# Altium PCB Mynd_Baffle.PcbDoc
Units mm, origin at the board's own origin, x right, y up, seen from the top; angles counter-clockwise.
Board outline 45 x 30 mm, 2 copper layers (Component Side, Solder Side), stack 1.58 mm thick; 18 components, 8 nets, 82 pads, 12 vias.
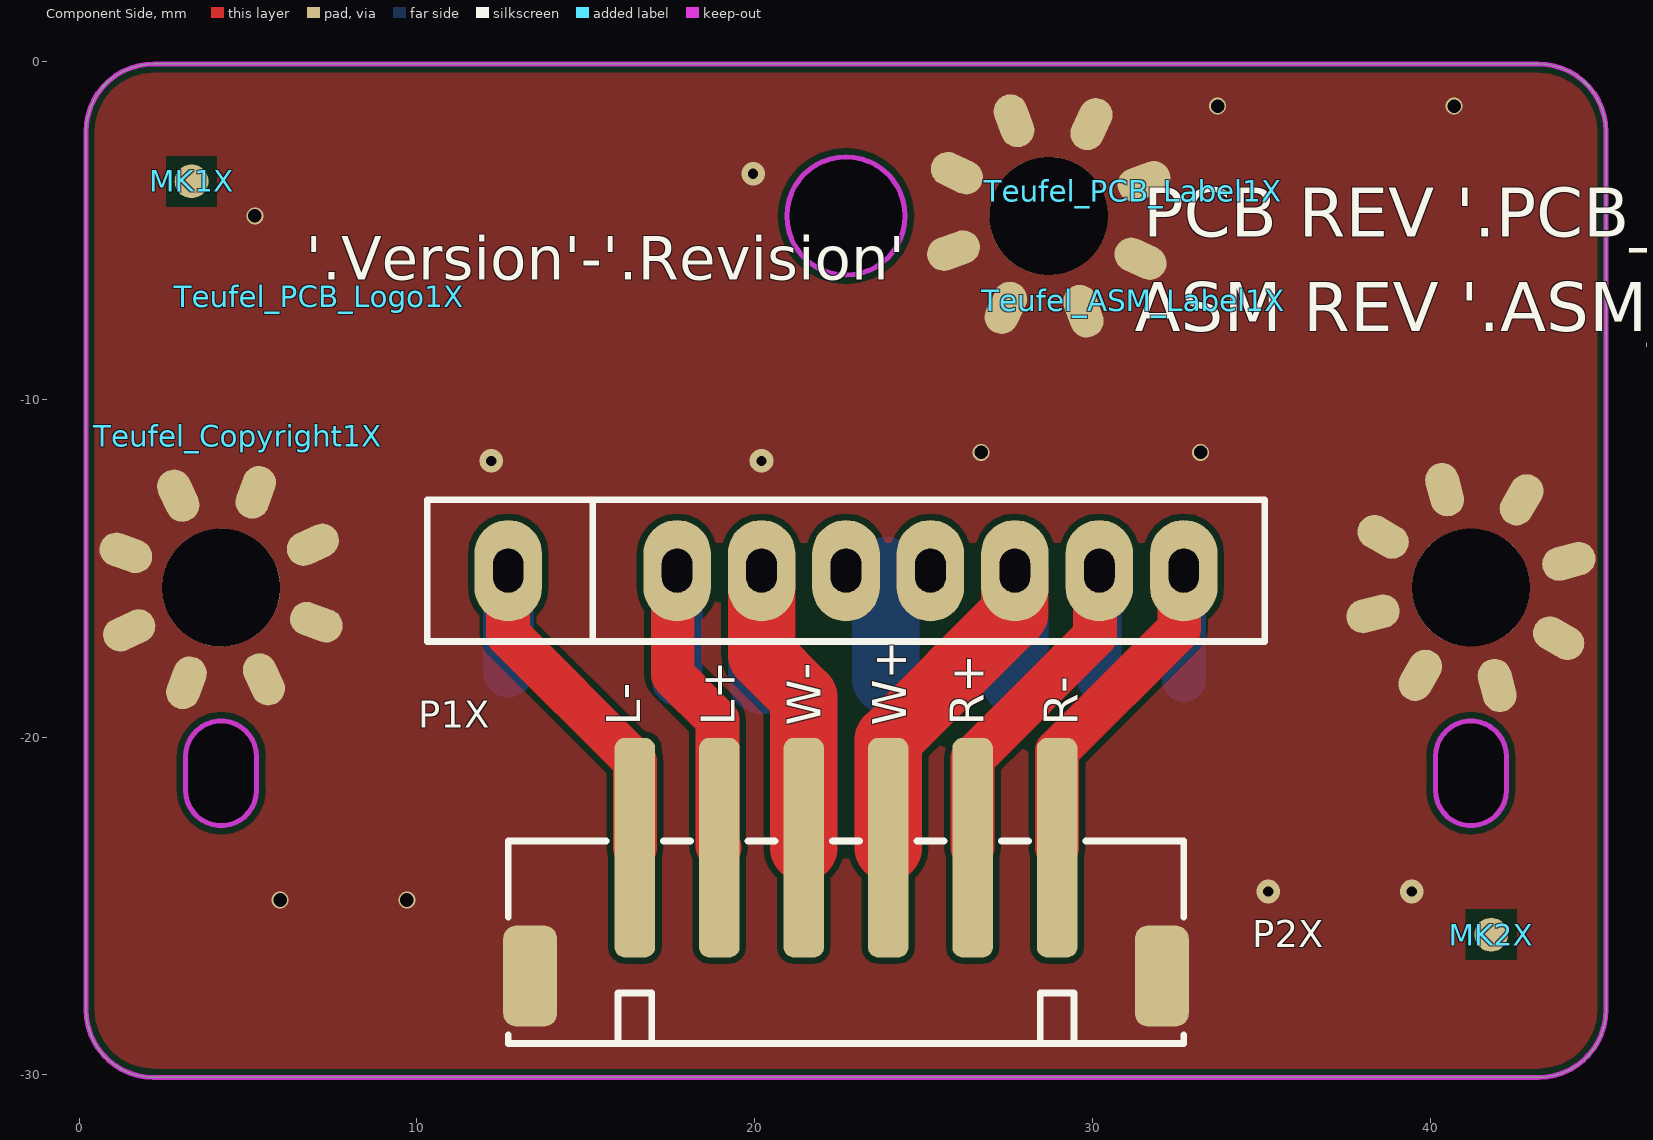
[diagram p0: Component Side view]
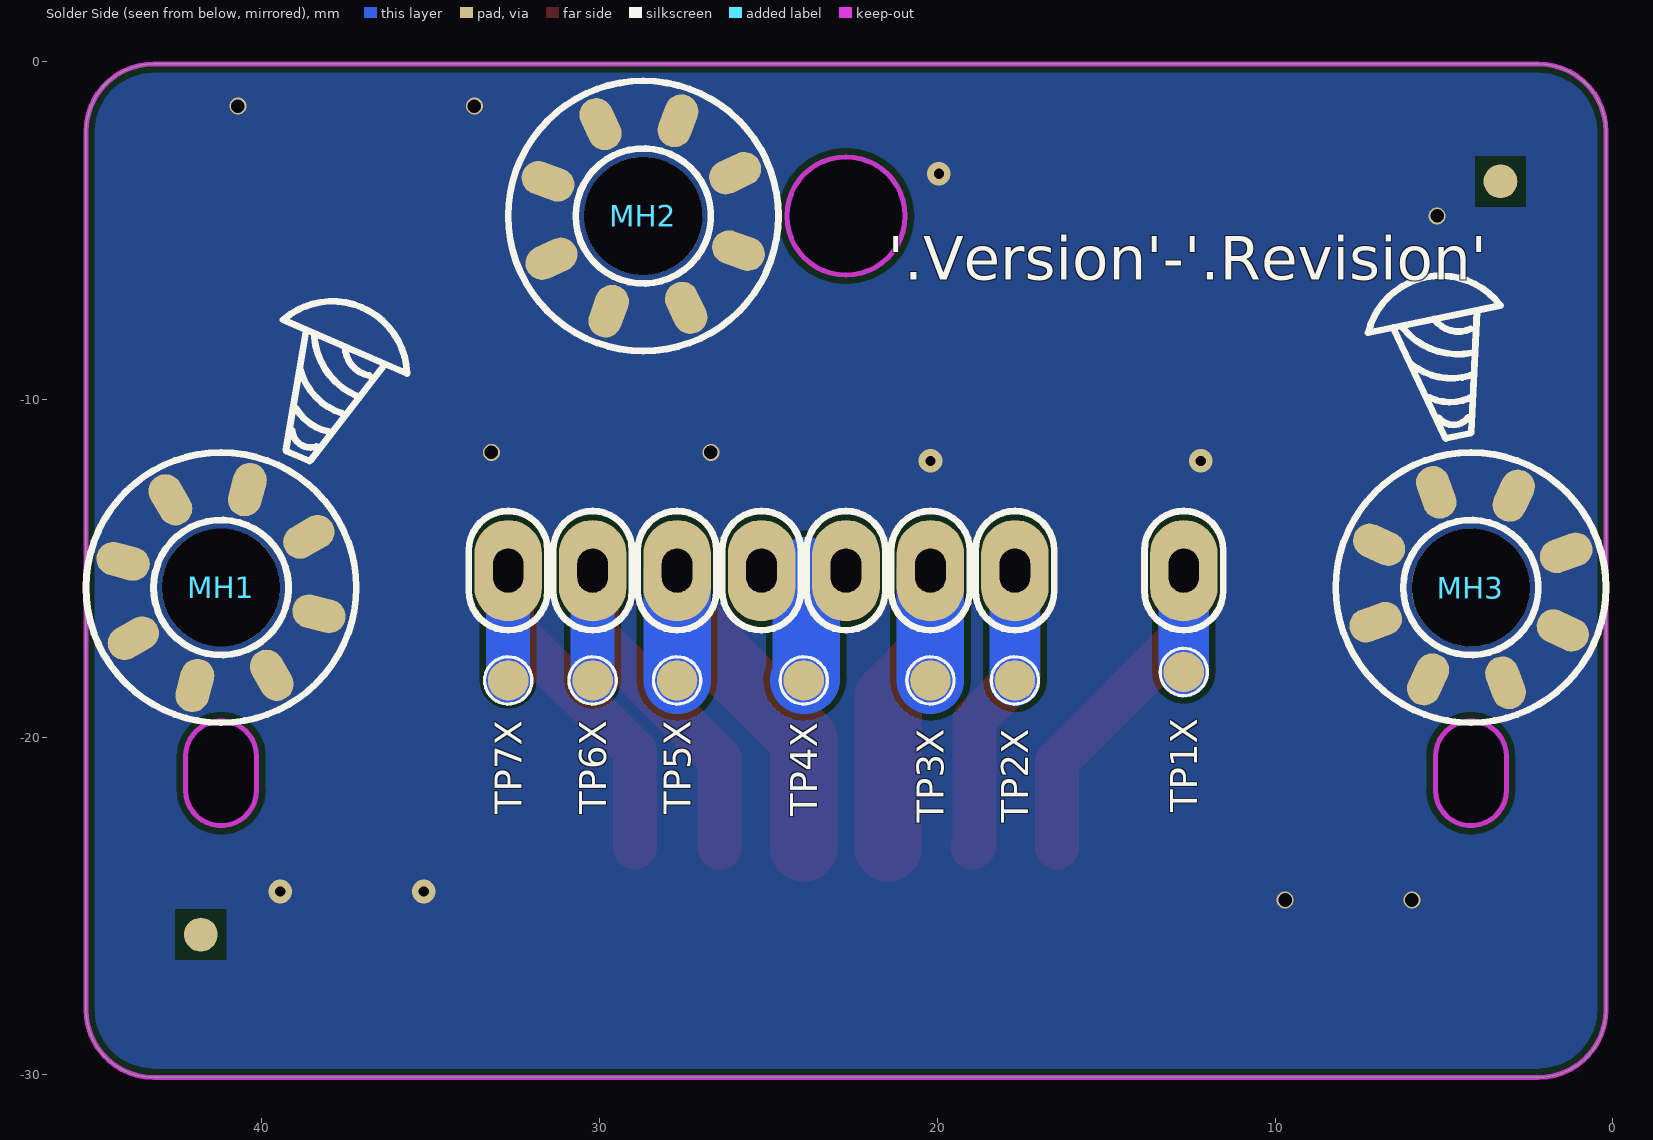
[diagram p1: Solder Side view, seen from below]

## Layer stack, top to bottom
Top Solder: solder mask 0.0102, Solder Resist, Dk 3.5
Component Side: signal copper 0.035
Dielectric1: core 1.5097, FR-4, Dk 4.2
Solder Side: signal copper 0.035
Bottom Solder: solder mask 0.0102, Solder Resist, Dk 3.5

## Board outline
0.202,-28.072 0.202,-2.072 cw(c2.202,-2.072) 2.202,-0.072 43.202,-0.072 cw(c43.202,-2.072) 45.202,-2.072 45.202,-28.072 cw(c43.202,-28.072) 43.202,-30.072 2.202,-30.072 cw(c2.202,-28.072)
cut-out: 22.702,-6.322 cw(c22.702,-4.572) 20.952,-4.572 cw(c22.702,-4.572) 22.702,-2.822 cw(c22.702,-4.572) 24.452,-4.572 cw(c22.702,-4.572)
cut-out: 3.152,-21.572 ccw(c4.202,-21.572) 5.252,-21.572 5.252,-20.572 ccw(c4.202,-20.572) 3.152,-20.572
cut-out: 40.152,-21.572 ccw(c41.202,-21.572) 42.252,-21.572 42.252,-20.572 ccw(c41.202,-20.572) 40.152,-20.572

## Design rules (kind name [scope] priority, off if disabled: settings)
AssemblyTestPointUsage [HasFootprint('PAD-NDK-06')] p1:
AssemblyTestpoint [HasFootprint('PAD-NDK-06')] p1: testpointundercomponent=TRUE minsize=1.016 maxsize=2.54 preferedsize=1.524 minholesize=0 maxholesize=1.016 preferedholesize=0.813 testpointgrid=0.025 usegrid=TRUE gridtolerance=0 allowsidetop=TRUE allowsidebottom=TRUE
Clearance [All] p1: gap=0.18 ignorepadtopadclearanceinfootprint=FALSE
Clearance Clearance_Poly [All] p2 off: gap=0.25 ignorepadtopadclearanceinfootprint=FALSE // Protel DXP Scope 1 Expression Was: InPoly
ComponentClearance ComponentClearance_Termofühler [HasFootprint('SOP65P1420X360_HS-44N') vs HasFootprint('TO-92_MCP9700')] p1: gap=0 collisioncheckmode=3 verticalgap=0.254 showdistances=FALSE
ComponentClearance ComponentClearance_Testpoint [InComponent('TP*')] p2: gap=0 collisioncheckmode=3 verticalgap=0.254 showdistances=FALSE
ComponentClearance ComponentClearance_MC16 [OnLayer('Component Side')] p3: gap=0 collisioncheckmode=3 verticalgap=0.254 showdistances=FALSE
ComponentClearance ComponentClearance_1 [All] p4: gap=0.2 collisioncheckmode=3 verticalgap=0.254 showdistances=FALSE
ComponentClearance ComponentClearance_Stiftleiste [HasFootprint('1X04RM254') vs HasFootprint('1X02RM254')] p5: gap=0 collisioncheckmode=3 verticalgap=0.254 showdistances=FALSE
FabricationTestpoint [All] p1: side=3 testpointundercomponent=TRUE minsize=0.5 maxsize=2.54 preferedsize=1.524 minholesize=0 maxholesize=1.016 preferedholesize=0.813 testpointgrid=0.025 allowsidetop=TRUE allowsidebottom=TRUE usegrid=TRUE gridtolerance=0
FanoutControl Fanout_LCC [All] p1 off: bgadir=Out bgaviamode=Centered fanoutstyle=Auto fanoutdirection=Alternating viagrid=0.025 // Protel DXP Scope 1 Expression Was: IsLCC   Fanout_LCC (Default Rule)
FanoutControl Fanout_BGA [All] p2 off: bgadir=Out bgaviamode=Centered fanoutstyle=Auto fanoutdirection=Alternating viagrid=0.025 // Protel DXP Scope 1 Expression Was: IsBGA   Fanout_BGA (Default Rule)
FanoutControl Fanout_SOIC [All] p3 off: bgadir=Out bgaviamode=Centered fanoutstyle=Auto fanoutdirection=Alternating viagrid=0.025 // Protel DXP Scope 1 Expression Was: IsSOIC   Fanout_SOIC (Default Rule)
FanoutControl Fanout_Default [All] p4: bgadir=Out bgaviamode=Centered fanoutstyle=Auto fanoutdirection=Alternating viagrid=0.025 // Fanout_Default (Default Rule)
FanoutControl Fanout_Small [All] p5 off: bgadir=Out bgaviamode=Centered fanoutstyle=Auto fanoutdirection=Alternating viagrid=0.025 // Protel DXP Scope 1 Expression Was: (CompPinCount < 5)   Fanout_Small (Default Rule)
HoleSize [All] p1: absolutevalues=TRUE maxlimit=8 minlimit=0.25 maxpercent=80.000 minpercent=20.000
NetAntennae [All] p1 off: netantennaetolerance=0
PlaneClearance [All] p1: clearance=0.3
PlaneConnect [All] p1: planeconnectstyle=Relief reliefexpansion=0.508 reliefentries=4 reliefconductorwidth=0.5 reliefairgap=0.254
PolygonConnect [All] p1: connectstyle=Direct reliefconductorwidth=0.5 reliefentries=4 polygonreliefangle="45 Angle" airgapwidth=0.254
PolygonConnect PolygonConnect_direct_stepup [All] p2 off: connectstyle=Direct reliefconductorwidth=0.254 reliefentries=4 polygonreliefangle="90 Angle" airgapwidth=0.254 // Protel DXP Scope 1 Expression Was: (InNet('NETC548_1') AND IsNamedPolygon('BOT_STEPUP_L502OUT')) OR (InNet('NetL502_1') AND IsNamedPolygon('BOT_STEPUP_L502IN')) OR     (InNet('NetC504_2') AND IsNamedPolygon('BOT_STEPUP_IN')) OR   (InNet('24V') AND IsNamedPolygon('BOT_STEPUP_24VOUT')) OR (InNet('GND') AND (IsNamedPolygon('BOT_STEPUP_GND') OR                     IsNamedPolygon('BOT_GLOBAL_GND') OR                                    IsNamedPolygon('TOP_GLOBAL_GND')                   ) )
PolygonConnect PolygonConnect_VIA [All] p3 off: connectstyle=Direct reliefconductorwidth=0.2 reliefentries=4 polygonreliefangle="90 Angle" airgapwidth=0.254 // Protel DXP Scope 1 Expression Was: isVia  or HasFootprint('HOLE_3.2_6.0') or  HasFootprint('CAPPR750W80D1600H2500') or HasFootprint('JST_B6P-VH-FB-B') or HasFootprint('JST_B2P-VH-FB-B') or HasFootprint('TE_1734366-3')
PolygonConnect PolygonConnect_direct [All] p4 off: connectstyle=Direct reliefconductorwidth=0.254 reliefentries=4 polygonreliefangle="90 Angle" airgapwidth=0.254 // Protel DXP Scope 1 Expression Was: InNet('OUT_A') or InNet('OUT_B') or InNet('OUT_C') or InNet('OUT_D') or InNet('SW1_N') or InNet('SW1_P') or InNet('SW2_N') or InNet('SW2_P') or InNet('NetC500_1') or InNet('NetC500_2') or IsNamedPolygon('BOTTOM_-5V_GND') or IsNamedPolygon('BOTTOM_5V_GND') or IsNamedPolygon('BOTTOM_3V3_GND') or IsNamedPolygon('TOP_24V') or IsNamedPolygon('BOT_5VChg_SW_Node') or ((InNet('41V')) and IsSMTPin)
PolygonConnect PolygonConnect_GND_RC_1 [All] p5 off: connectstyle=Relief reliefconductorwidth=0.5 reliefentries=4 polygonreliefangle="90 Angle" airgapwidth=0.254 // Protel DXP Scope 1 Expression Was: IsNamedPolygon('GND_RC_1')
RoutingVias [All] p1: holewidth=0.3 width=0.7 viastyle="Through Hole" minholewidth=0.25 minwidth=0.5 maxholewidth=6 maxwidth=8
ShortCircuit ShortCircuit_C_Open_GND [InNet('C_OPEN')] p2: allowed=TRUE
SilkToSolderMaskClearance [All] p1 off: minsilkscreentomaskgap=0.254 clearancetoexposedcopper=TRUE // Protel DXP Scope 1 Expression Was: IsPad
SolderMaskExpansion [All] p1: expansion=0.102 istentingtop=FALSE
SupplyNets "Schematic Supply Nets" [InNet('GND')] p1: voltage=0.000
Width [All] p1: maxlimit=20 minlimit=1 preferedwidth=1
16 further rules are at their usual default settings.

## Components (designator, comment, footprint, x,y, rotation, side; value= is the part's Value field where it differs from the comment)
MH1 "SCREW_HOLE_D35" SCREW_D35 41.202,-15.572 r150 bottom
MH2 "HOLD_D35" HOLD_D35 28.702,-4.572 r335 bottom
MH3 "SCREW_HOLE_D35" SCREW_D35 4.202,-15.572 r115 bottom
MK1X "MARK" MARK 3.327,-3.547 r90 top
MK2X "MARK" MARK 41.802,-25.847 r90 top
P1X "8P PITCH=2.5mm" TSB1_05282 12.702,-15.072 r0 top locked value="8P PITCH=2.5mm"
P2X "6P PITCH=2.5mm" CON_250_SMD_V_6P 22.702,-26.072 r0 top locked value="6P PITCH=2.5mm"
Teufel_ASM_Label1X "3.1" Teufel_ASM_Rev 31.202,-7.072 r0 top
Teufel_Copyright1X "2023" TEUFEL_COPYRIGHT 4.702,-11.072 r0 top
Teufel_PCB_Label1X "3.1" Teufel_PCB_Rev 31.202,-3.822 r0 top
Teufel_PCB_Logo1X "T.3.0.0040-3.1" Teufel_NoLogo 7.114,-6.944 r0 top
TP1X "TP12" TP120 12.702,-18.072 r90 bottom
TP2X "TP12" TP120 17.702,-18.322 r90 bottom
TP3X "TP12" TP120 20.202,-18.322 r90 bottom
TP4X "TP12" TP120 23.952,-18.322 r90 bottom
TP5X "TP12" TP120 27.702,-18.322 r90 bottom
TP6X "TP12" TP120 30.202,-18.322 r90 bottom
TP7X "TP12" TP120 32.702,-18.322 r90 bottom

## Footprints (in the part's own frame and the unit in brackets; to place one, negate y for a bottom-side part, rotate by r counter-clockwise, add the part's x,y. Pads: shape width x height; smd on the part's side, far side on the other; paste and mask are expansions set on the pad)
CON_250_SMD_V_6P [mm] "2.5mm CONNECTOR SMD TOP ENTRY, 2.5-nPÁ¢Ìù"
  rrect50% 1.6x3 smd: 0(-9.35,-1) 0(9.35,-1)
  rrect50% 1.2x6.5 smd: 1(-6.25,2.8) 2(-3.75,2.8) 3(-1.25,2.8) 4(1.25,2.8) 5(3.75,2.8) 6(6.25,2.8)
  silkscreen extent -10,-3 10,3, body extent -10,-3 10,5.4, height 7.9
HOLD_D35 [mm] "HOLD D=3.5mm"
  oval 1.6x1 smd: 1(-3,0) 1(3,0)
  oval 1.6x1 smd far side: 1(-3,0) 1(3,0)
  oval 1x1.6 smd rot 135: 1(-2.121,-2.121) 1(2.121,2.121)
  oval 1x1.6 smd far side rot 135: 1(-2.121,-2.121) 1(2.121,2.121)
  oval 1x1.6 smd rot 45: 1(-2.121,2.121) 1(2.121,-2.121)
  oval 1x1.6 smd far side rot 45: 1(-2.121,2.121) 1(2.121,-2.121)
  oval 1x1.6 smd: 1(0,-3) 1(0,3)
  oval 1x1.6 smd far side: 1(0,-3) 1(0,3)
  round 3.5 hole 3.5: 1(0,0)
  silkscreen extent -4,-4 4,4
MARK [mm] "MARK DOT 1mm"
  rect 1.5x1.5 on Top Solder: 0(0,0)
  rect 1.5x1.5 on Bottom Solder: 1(0,0)
  round 1 smd far side mask+0: MK_B(0,0)
  round 1 smd mask+0: MKT(0,0)
  Component Side pour cut-out: -0.75,-0.75 0.75,-0.75 0.75,0.75 -0.75,0.75
  Solder Side pour cut-out: -0.75,-0.75 0.75,-0.75 0.75,0.75 -0.75,0.75
SCREW_D35 [mm] "Screw hole D = 3.5mm"
  oval 1.6x1 smd: 1(-3,0) 1(3,0)
  oval 1.6x1 smd far side: 1(-3,0) 1(3,0)
  oval 1x1.6 smd rot 135: 1(-2.121,-2.121) 1(2.121,2.121)
  oval 1x1.6 smd far side rot 135: 1(-2.121,-2.121) 1(2.121,2.121)
  oval 1x1.6 smd rot 45: 1(-2.121,2.121) 1(2.121,-2.121)
  oval 1x1.6 smd far side rot 45: 1(-2.121,2.121) 1(2.121,-2.121)
  oval 1x1.6 smd: 1(0,3) 1(0,-3)
  oval 1x1.6 smd far side: 1(0,3) 1(0,-3)
  round 3.5 hole 3.5: 1(0,0)
  silkscreen extent -4,-4 8.19,5.99
Teufel_ASM_Rev [mm]
TEUFEL_COPYRIGHT [mm]
Teufel_NoLogo [mm] "Teufel NoLogo"
Teufel_PCB_Rev [mm]
TP120 [mm] "TEST PAD 1.2mm"
  round 1.2 smd: 1(0,0)
  silkscreen extent -0.7,-0.7 0.7,0.7
TSB1_05282 [mm] "Connector PH= 2.5mm 8Pin, TSB1-05282, CEN LINK"
  oval 2x3 hole 0.9 slot 1.3 at 90 deg mask+0: 1(0,0) 2(5,0) 3(7.5,0) 4(10,0) 5(12.5,0) 6(15,0) 7(17.5,0) 8(20,0)
  silkscreen extent -2.4,-2.1 22.4,2.1, body extent -2.27,-2 22.27,2, height 7.2

## Part data
MH1 MH3: library part CMP-00005-2, "SCREW_HOLE D3.5mm"
MH2: library part CMP-00019-1
MK1X MK2X: library part N-001-00003-2, "MARK DOT", Design Item ID=MARK
P1X: library part C-001-0506-10, "SMD BTB CONNECTOR 8P P2.5mm GOLD", Manufacturer=Generic, Part_Number="8P PITCH=2.5mm", Part_Type="Connector BTB SMT", System=Connector
P2X: library part C-001-0375-18, "GS SMD WTB CONNECTOR 6P P2.5mm", Manufacturer=Generic, Part_Number="6P PITCH=2.5mm", Part_Type="Connector WTB SMT", System=Connector
Teufel_ASM_Label1X: library part CMP-00088-3, "Teufel_ASM_Rev"
Teufel_Copyright1X: library part CMP-00086-3, "Teufel_Copyright_Year"
Teufel_PCB_Label1X: library part CMP-00087-3, "Teufel_PCB_Label"
Teufel_PCB_Logo1X: library part "Teufel NoLogo", "Teufel PCB NoLogo"
TP1X TP2X TP3X TP4X TP5X TP6X TP7X: library part N-001-00010-2, "Test Point", Design Item ID=TP

## Via types
v1: diameter 0.5, hole 0.4, Component Side to Solder Side, 7 vias
v2: diameter 0.7, hole 0.3, Component Side to Solder Side, tented both sides, 5 vias

## Nets (pads, with @x,y where several pads share a name; then routed paths per layer and width w, separated by ;. In a path a pad name is that pad's centre, name@x,y a point inside that pad or via, vN(x,y) a via of type N, cw(c..) or ccw(c..) an arc to the next point about the centre after c; other vN are vias at no path point)
GND: MH1.1 MH2.1 MH3.1 P2X.0
  other v1: 5.952,-24.822 9.702,-24.822 26.702,-11.572 33.202,-11.572 5.202,-4.572 33.702,-1.322 40.702,-1.322
  other v2: 35.202,-24.572 39.452,-24.572 12.202,-11.822 20.202,-11.822 19.952,-3.322
NetP1X_4: P1X.4 P1X.5 TP4X.1 | length 3.3
  Solder Side w2: 23.878,-15.072 23.878,-18.248 ccw(c23.952,-18.248) TP4X.1
SW_N: P1X.3 P2X.3 TP3X.1 | length 12
  Component Side w2: P1X.3 20.202,-17.572 21.452,-18.822 P2X.3
  Solder Side w2: TP3X.1 P1X.3
SW_P: P1X.6 P2X.4 TP5X.1 | length 13
  Component Side w2: P2X.4 23.952,-20.078 27.702,-16.328 P1X.6
  Solder Side w2: TP5X.1 P1X.6
TW_L_N: P1X.1 P2X.1 TP1X.1 | length 12.8
  Component Side w1.3: P1X.1 12.702,-16.972 16.452,-20.722 P2X.1
  Solder Side w1.5: TP1X.1 P1X.1
TW_L_P: P1X.2 P2X.2 TP2X.1 | length 12.1
  Component Side w1.3: P1X.2 17.574,-15.2 17.574,-18.166 18.902,-19.494 18.902,-23.222 P2X.2
  Solder Side w1.5: TP2X.1 P1X.2
TW_R_N: P1X.8 P2X.6 TP7X.1 | length 13
  Component Side w1.3: P2X.6 28.952,-20.412 32.568,-16.796 32.568,-15.206 P1X.8
  Solder Side w1.3: TP7X.1 P1X.8
TW_R_P: P1X.7 P2X.5 TP6X.1 | length 13
  Component Side w1.3: P2X.5 26.452,-20.626 30.068,-17.01 30.068,-15.206 P1X.7
  Solder Side w1.3: TP6X.1 P1X.7
pads on no net: MK1X.0 MK1X.1 MK1X.MK_B MK1X.MKT MK2X.0 MK2X.1 MK2X.MK_B MK2X.MKT

## Polygon pours and split planes (outlines as drawn)
GND on Component Side "GND_L01_P000" (solid, remove dead copper, pour order 0): 2.202,-0.072 43.202,-0.072 cw(c43.202,-2.093) 45.223,-2.093 45.223,-28.051 cw(c43.202,-28.051) 43.202,-30.072 2.202,-30.072 cw(c2.202,-28.072) 0.202,-28.072 0.202,-2.072 cw(c2.202,-2.072) 2.202,-0.072
GND on Solder Side "GND_L02_P001" (solid, remove dead copper, pour order 1): 2.202,-0.072 43.202,-0.072 cw(c43.202,-2.093) 45.223,-2.093 45.223,-28.051 cw(c43.202,-28.051) 43.202,-30.072 2.202,-30.072 cw(c2.202,-28.072) 0.202,-28.072 0.202,-2.072 cw(c2.202,-2.072) 2.202,-0.072

## Keep-outs
Keep-Out Layer:
  circle w0.15: c22.702,-4.572 r1.75
  lines w0.15: 0.202,-28.072 ccw(c2.202,-28.072) 2.202,-30.072 43.202,-30.072 ccw(c43.202,-28.072) 45.202,-28.072 45.202,-2.072 ccw(c43.202,-2.072) 43.202,-0.072 2.202,-0.072 ccw(c2.202,-2.072) 0.202,-2.072 0.202,-28.072 ; 3.152,-21.572 ccw(c4.202,-21.572) 5.252,-21.572 5.252,-20.572 ccw(c4.202,-20.572) 3.152,-20.572 3.152,-21.572 ; 40.152,-21.572 ccw(c41.202,-21.572) 42.252,-21.572 42.252,-20.572 ccw(c41.202,-20.572) 40.152,-20.572 40.152,-21.572

## Silkscreen, mask and mechanical layers (free items; w line width, h text height)
Top Overlay:
  text "L-" at 16.614,-19.662 h1 r90
  text "L+" at 19.408,-19.662 h1 r90
  text "W-" at 21.948,-19.662 h1 r90
  text "W+" at 24.488,-19.662 h1 r90
  text "R+" at 26.774,-19.662 h1 r90
  text "R-" at 29.568,-19.662 h1 r90
Mechanical 1:
  circle w0.013: c24.687,-30.822 r0.5
  circle w0.013: c22.687,-30.822 r0.5
  circle w0.013: c20.687,-30.822 r0.5
  circle w0.013: c22.702,-15.072 r0.6
  circle w0.013: c25.202,-15.072 r0.6
  circle w0.013: c27.702,-15.072 r0.6
  circle w0.013: c30.202,-15.072 r0.6
  circle w0.013: c32.702,-15.072 r0.6
  circle w0.013: c20.202,-15.072 r0.6
  circle w0.013: c17.702,-15.072 r0.6
  circle w0.013: c12.702,-15.072 r0.6
  circle w0.013: c22.702,-4.572 r1.75
  circle w0.013: c28.702,-4.572 r1.75
  circle w0.013: c41.202,-15.572 r1.75
  circle w0.013: c4.202,-15.572 r1.75
  circle w0.15: c22.702,-4.572 r1.75
  lines w0.013: 18.189,-31.572 ccw(c18.687,-30.822) 18.189,-30.072 2.202,-30.072 cw(c2.202,-28.072) 0.202,-28.072 0.202,-19.569 0.202,-2.072 cw(c2.202,-2.072) 2.202,-0.072 27.084,-0.072 43.202,-0.072 cw(c43.202,-2.072) 45.202,-2.072 45.202,-19.265 ; 27.084,-31.572 cw(c26.587,-30.822) 27.084,-30.072 43.202,-30.072 ccw(c43.202,-28.072) 45.202,-28.072 45.202,-19.569 ; 3.152,-21.572 ccw(c4.202,-21.572) 5.252,-21.572 5.252,-20.572 ccw(c4.202,-20.572) 3.152,-20.572 3.152,-21.572 ; 40.152,-21.572 ccw(c41.202,-21.572) 42.252,-21.572 42.252,-20.572 ccw(c41.202,-20.572) 40.152,-20.572 40.152,-21.572
  lines w0.15: 0.202,-28.072 ccw(c2.202,-28.072) 2.202,-30.072 43.202,-30.072 ccw(c43.202,-28.072) 45.202,-28.072 45.202,-2.072 ccw(c43.202,-2.072) 43.202,-0.072 2.202,-0.072 ccw(c2.202,-2.072) 0.202,-2.072 0.202,-28.072 ; 3.152,-21.572 ccw(c4.202,-21.572) 5.252,-21.572 5.252,-20.572 ccw(c4.202,-20.572) 3.152,-20.572 3.152,-21.572 ; 40.152,-21.572 ccw(c41.202,-21.572) 42.252,-21.572 42.252,-20.572 ccw(c41.202,-20.572) 40.152,-20.572 40.152,-21.572
Mechanical 2:
  drawing of 531 lines, arcs and shapes, not listed
Top Assembly:
  drawing of 531 lines, arcs and shapes, not listed

## Text inside footprints (layer, text, board x,y; h text height)
Teufel_ASM_Label1X: Top Overlay "ASM REV '.ASM_Rev'" at 31.244,-8.468 h2.5
Teufel_Copyright1X: Top Overlay "Copyright © '.Copyright_Year' Lautsprecher Teufel GmbH" at 2.288,-11.516 h2
Teufel_PCB_Label1X: Top Overlay "PCB REV '.PCB_Rev'" at 31.498,-5.674 h2.5